# KiCad board cell-sim.kicad_pcb (continued)
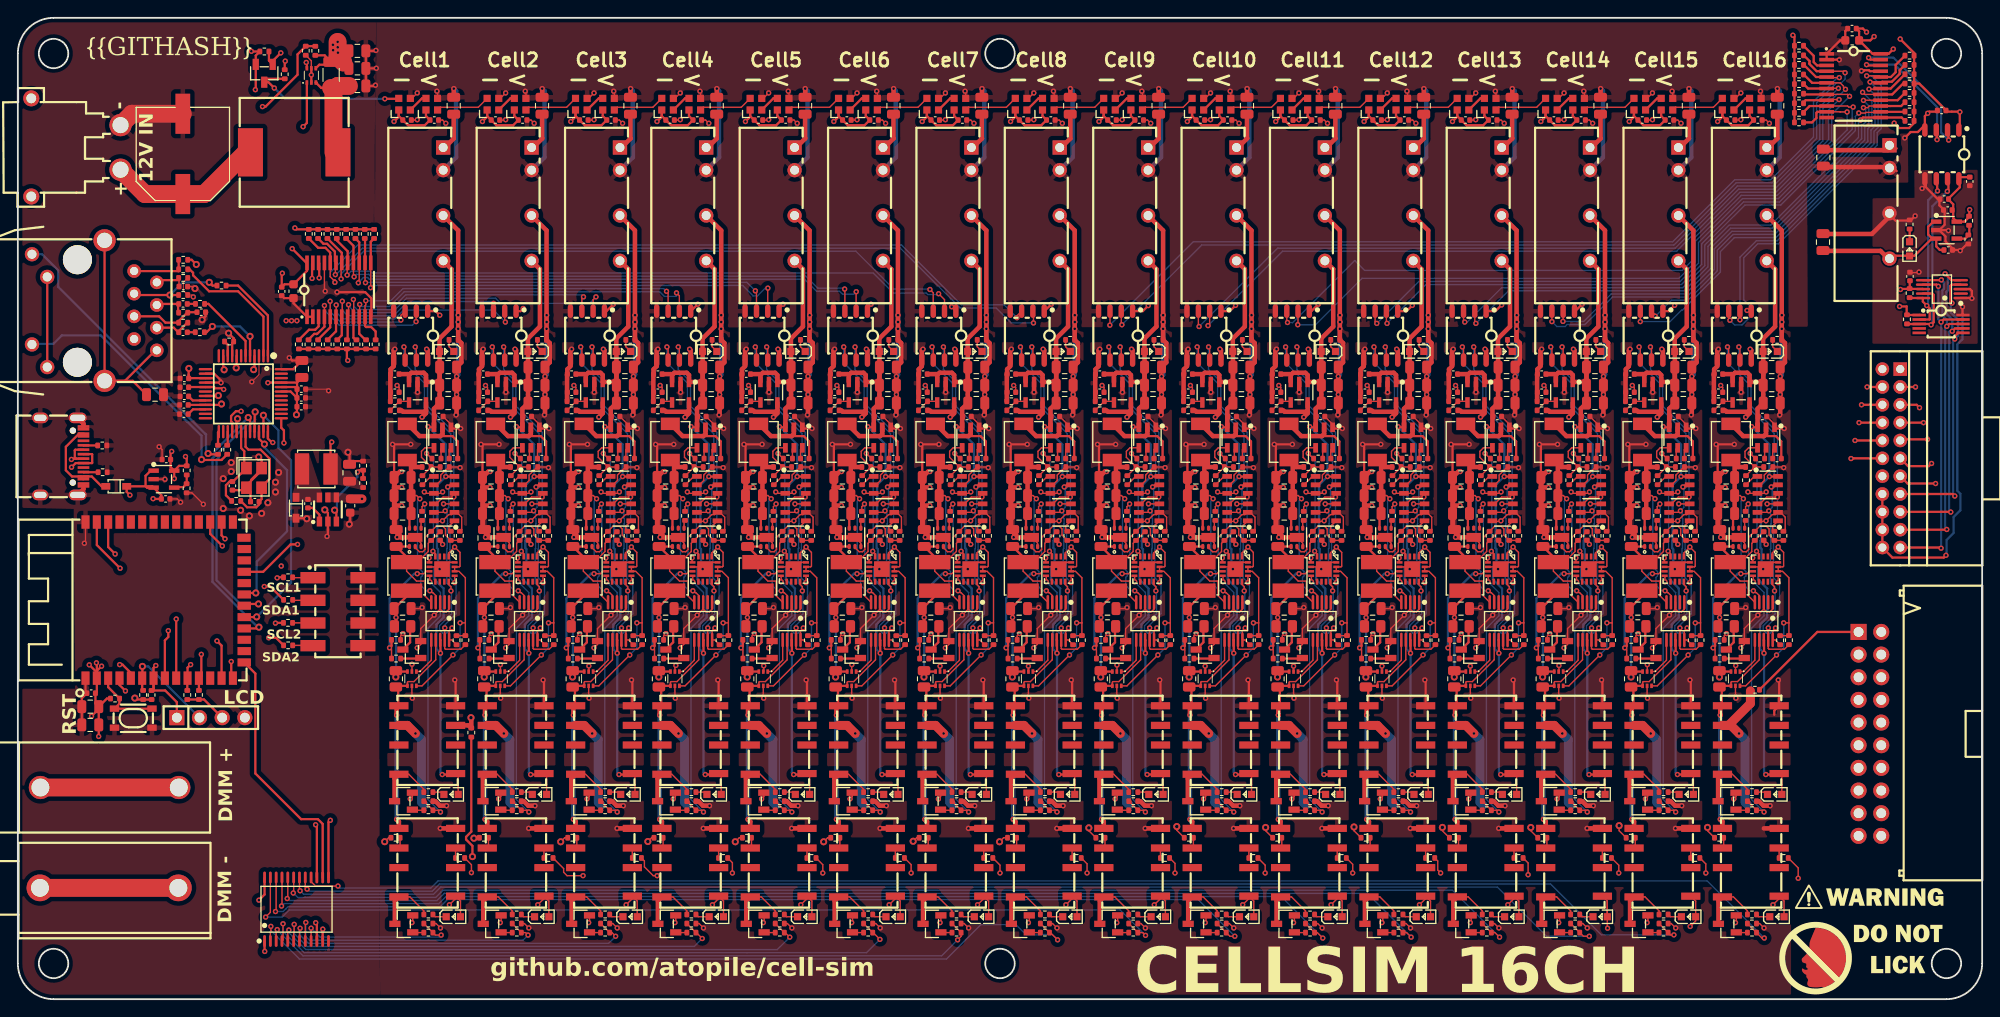
[diagram p0: board, top side]
## Placement (name value [footprint] x y rotation side) (continued)
U11  ?  [TSSOP-24_L7.8-W4.4-P0.65-LS6.4-BL]  35.95 79.51 0 top
U12  ?  [TSSOP-24_L7.8-W4.4-P0.65-LS6.4-BL]  205.61 102.39 270 top
U13  0.6A, 42V, 1.1MHz Buck Regulator  [SOT-23-6_L2.9-W1.6-P0.95-LS2.8-BR]  34.73 54.89 270 top
U14  ?  [SOT-23-5_L3.0-W1.7-P0.95-LS2.8-BL]  16.36 58.29 270 top
U15  ?  [SOT-23-3_L2.9-W1.3-P1.90-LS2.4-BR]  27.59 103.78 90 top
U16  ?  [SSOP-24_L8.1-W5.3-P0.65-LS7.8-BL]  31.21 10.08 0 top
U17  ?  [PWRM-TH_BXXXXS-2WR2]  209.62 89.36 270 top
U18  ?  [SOIC-8_L4.9-W3.9-P1.27-LS6.0-TL]  215.5 94.7 270 top
U19  ?  [MSOP-10_L3.0-W3.0-P0.50-LS5.0-BL]  215.5 79.59 90 top
U20  ?  [MSOP-10_L3.0-W3.0-P0.50-LS5.0-TL]  215.4 75.68 0 top
U21  ?  [SOT-23-5_L3.0-W1.7-P0.95-LS2.8-BL]  216.01 86.2 270 top
U22  ?  [PWRM-TH_BXXXXS-2WR2]  47.64 89.11 270 top
U23  ?  [MSOP-10_L3.0-W3.0-P0.50-LS5.0-BL]  47.3 42.38 180 top
U24  ?  [SOT-23-6_L2.9-W1.6-P0.95-LS2.8-BL]  47.75 57.65 270 top
U25  ?  [SOT-23-6_L2.9-W1.6-P0.95-LS2.8-BL]  47.56 62.95 180 top
U26  ?  [SOT-23-6_L2.9-W1.6-P0.95-LS2.8-BL]  47.75 54.57 90 top
U27  ?  [WSON-6_L2.0-W2.0-P0.65-TL-EP]  44.51 51.76 90 top
U28  ?  [SOT-563_L1.6-W1.2-P0.50-LS1.6-TL]  44.13 35.92 270 top
U29  ?  [RELAY-SMD_HFD4-5-SR]  45.86 29.05 90 top
U30  ?  [RELAY-SMD_HFD4-5-SR]  45.86 15.3 90 top
U31  ?  [QFN-16_L3.0-W3.0-P0.50-BL-EP1.7]  47.51 48.21 180 top
U32  ?  [SOIC-8_L4.9-W3.9-P1.27-LS6.0-TL]  44 74.38 270 top
U33  ?  [LED-SMD_4P-L2.0-W2.0-BR]  46.36 100.32 270 top
U34  ?  [LED-SMD_4P-L2.0-W2.0-BR]  43.31 100.32 270 top
U35  ?  [SOT-23-5_L3.0-W1.7-P0.95-LS2.8-BL]  44.76 68.03 180 top
U36  ?  [PWRM-TH_BXXXXS-2WR2]  57.54 89.11 270 top
U37  ?  [MSOP-10_L3.0-W3.0-P0.50-LS5.0-BL]  57.2 42.38 180 top
U38  ?  [SOT-23-6_L2.9-W1.6-P0.95-LS2.8-BL]  57.65 57.65 270 top
U39  ?  [SOT-23-6_L2.9-W1.6-P0.95-LS2.8-BL]  57.46 62.95 180 top
U40  ?  [SOT-23-6_L2.9-W1.6-P0.95-LS2.8-BL]  57.65 54.57 90 top
U41  ?  [WSON-6_L2.0-W2.0-P0.65-TL-EP]  54.41 51.76 90 top
U42  ?  [SOT-563_L1.6-W1.2-P0.50-LS1.6-TL]  54.03 35.92 270 top
U43  ?  [RELAY-SMD_HFD4-5-SR]  55.76 29.05 90 top
U44  ?  [RELAY-SMD_HFD4-5-SR]  55.76 15.3 90 top
U45  ?  [QFN-16_L3.0-W3.0-P0.50-BL-EP1.7]  57.41 48.21 180 top
U46  ?  [SOIC-8_L4.9-W3.9-P1.27-LS6.0-TL]  53.9 74.38 270 top
U47  ?  [LED-SMD_4P-L2.0-W2.0-BR]  56.26 100.32 270 top
U48  ?  [LED-SMD_4P-L2.0-W2.0-BR]  53.21 100.32 270 top
U49  ?  [SOT-23-5_L3.0-W1.7-P0.95-LS2.8-BL]  54.66 68.03 180 top
U50  ?  [PWRM-TH_BXXXXS-2WR2]  67.44 89.11 270 top
U51  ?  [MSOP-10_L3.0-W3.0-P0.50-LS5.0-BL]  67.1 42.38 180 top
U52  ?  [SOT-23-6_L2.9-W1.6-P0.95-LS2.8-BL]  67.55 57.65 270 top
U53  ?  [SOT-23-6_L2.9-W1.6-P0.95-LS2.8-BL]  67.35 62.95 180 top
U54  ?  [SOT-23-6_L2.9-W1.6-P0.95-LS2.8-BL]  67.55 54.57 90 top
U55  ?  [WSON-6_L2.0-W2.0-P0.65-TL-EP]  64.31 51.76 90 top
U56  ?  [SOT-563_L1.6-W1.2-P0.50-LS1.6-TL]  63.93 35.92 270 top
U57  ?  [RELAY-SMD_HFD4-5-SR]  65.65 29.05 90 top
U58  ?  [RELAY-SMD_HFD4-5-SR]  65.65 15.3 90 top
U59  ?  [QFN-16_L3.0-W3.0-P0.50-BL-EP1.7]  67.31 48.21 180 top
U60  ?  [SOIC-8_L4.9-W3.9-P1.27-LS6.0-TL]  63.8 74.38 270 top
U61  ?  [LED-SMD_4P-L2.0-W2.0-BR]  66.16 100.32 270 top
U62  ?  [LED-SMD_4P-L2.0-W2.0-BR]  63.11 100.32 270 top
U63  ?  [SOT-23-5_L3.0-W1.7-P0.95-LS2.8-BL]  64.56 68.03 180 top
U64  ?  [PWRM-TH_BXXXXS-2WR2]  77.1 89.11 270 top
U65  ?  [MSOP-10_L3.0-W3.0-P0.50-LS5.0-BL]  76.76 42.38 180 top
U66  ?  [SOT-23-6_L2.9-W1.6-P0.95-LS2.8-BL]  77.21 57.65 270 top
U67  ?  [SOT-23-6_L2.9-W1.6-P0.95-LS2.8-BL]  77.01 62.95 180 top
U68  ?  [SOT-23-6_L2.9-W1.6-P0.95-LS2.8-BL]  77.21 54.57 90 top
U69  ?  [WSON-6_L2.0-W2.0-P0.65-TL-EP]  73.97 51.76 90 top
U70  ?  [SOT-563_L1.6-W1.2-P0.50-LS1.6-TL]  73.59 35.92 270 top
U71  ?  [RELAY-SMD_HFD4-5-SR]  75.31 29.05 90 top
U72  ?  [RELAY-SMD_HFD4-5-SR]  75.31 15.3 90 top
U73  ?  [QFN-16_L3.0-W3.0-P0.50-BL-EP1.7]  76.97 48.21 180 top
U74  ?  [SOIC-8_L4.9-W3.9-P1.27-LS6.0-TL]  73.46 74.38 270 top
U75  ?  [LED-SMD_4P-L2.0-W2.0-BR]  75.82 100.32 270 top
U76  ?  [LED-SMD_4P-L2.0-W2.0-BR]  72.77 100.32 270 top
U77  ?  [SOT-23-5_L3.0-W1.7-P0.95-LS2.8-BL]  74.22 68.03 180 top
U78  ?  [PWRM-TH_BXXXXS-2WR2]  86.99 89.11 270 top
U79  ?  [MSOP-10_L3.0-W3.0-P0.50-LS5.0-BL]  86.66 42.38 180 top
U80  ?  [SOT-23-6_L2.9-W1.6-P0.95-LS2.8-BL]  87.1 57.65 270 top
U81  ?  [SOT-23-6_L2.9-W1.6-P0.95-LS2.8-BL]  86.91 62.95 180 top
U82  ?  [SOT-23-6_L2.9-W1.6-P0.95-LS2.8-BL]  87.1 54.57 90 top
U83  ?  [WSON-6_L2.0-W2.0-P0.65-TL-EP]  83.87 51.76 90 top
U84  ?  [SOT-563_L1.6-W1.2-P0.50-LS1.6-TL]  83.49 35.92 270 top
U85  ?  [RELAY-SMD_HFD4-5-SR]  85.21 29.05 90 top
U86  ?  [RELAY-SMD_HFD4-5-SR]  85.21 15.3 90 top
U87  ?  [QFN-16_L3.0-W3.0-P0.50-BL-EP1.7]  86.87 48.21 180 top
U88  ?  [SOIC-8_L4.9-W3.9-P1.27-LS6.0-TL]  83.36 74.38 270 top
U89  ?  [LED-SMD_4P-L2.0-W2.0-BR]  85.71 100.32 270 top
U90  ?  [LED-SMD_4P-L2.0-W2.0-BR]  82.67 100.32 270 top
U91  ?  [SOT-23-5_L3.0-W1.7-P0.95-LS2.8-BL]  84.12 68.03 180 top
U92  ?  [PWRM-TH_BXXXXS-2WR2]  96.89 89.11 270 top
U93  ?  [MSOP-10_L3.0-W3.0-P0.50-LS5.0-BL]  96.56 42.38 180 top
U94  ?  [SOT-23-6_L2.9-W1.6-P0.95-LS2.8-BL]  97 57.65 270 top
U95  ?  [SOT-23-6_L2.9-W1.6-P0.95-LS2.8-BL]  96.81 62.95 180 top
U96  ?  [SOT-23-6_L2.9-W1.6-P0.95-LS2.8-BL]  97 54.57 90 top
U97  ?  [WSON-6_L2.0-W2.0-P0.65-TL-EP]  93.76 51.76 90 top
U98  ?  [SOT-563_L1.6-W1.2-P0.50-LS1.6-TL]  93.39 35.92 270 top
U99  ?  [RELAY-SMD_HFD4-5-SR]  95.11 29.05 90 top
U100  ?  [RELAY-SMD_HFD4-5-SR]  95.11 15.3 90 top
U101  ?  [QFN-16_L3.0-W3.0-P0.50-BL-EP1.7]  96.76 48.21 180 top
U102  ?  [SOIC-8_L4.9-W3.9-P1.27-LS6.0-TL]  93.26 74.38 270 top
U103  ?  [LED-SMD_4P-L2.0-W2.0-BR]  95.61 100.32 270 top
U104  ?  [LED-SMD_4P-L2.0-W2.0-BR]  92.57 100.32 270 top
U105  ?  [SOT-23-5_L3.0-W1.7-P0.95-LS2.8-BL]  94.02 68.03 180 top
U106  ?  [PWRM-TH_BXXXXS-2WR2]  106.79 89.11 270 top
U107  ?  [MSOP-10_L3.0-W3.0-P0.50-LS5.0-BL]  106.46 42.38 180 top
U108  ?  [SOT-23-6_L2.9-W1.6-P0.95-LS2.8-BL]  106.9 57.65 270 top
U109  ?  [SOT-23-6_L2.9-W1.6-P0.95-LS2.8-BL]  106.71 62.95 180 top
U110  ?  [SOT-23-6_L2.9-W1.6-P0.95-LS2.8-BL]  106.9 54.57 90 top
U111  ?  [WSON-6_L2.0-W2.0-P0.65-TL-EP]  103.66 51.76 90 top
U112  ?  [SOT-563_L1.6-W1.2-P0.50-LS1.6-TL]  103.29 35.92 270 top
U113  ?  [RELAY-SMD_HFD4-5-SR]  105.01 29.05 90 top
U114  ?  [RELAY-SMD_HFD4-5-SR]  105.01 15.3 90 top
U115  ?  [QFN-16_L3.0-W3.0-P0.50-BL-EP1.7]  106.66 48.21 180 top
U116  ?  [SOIC-8_L4.9-W3.9-P1.27-LS6.0-TL]  103.15 74.38 270 top
U117  ?  [LED-SMD_4P-L2.0-W2.0-BR]  105.51 100.32 270 top
U118  ?  [LED-SMD_4P-L2.0-W2.0-BR]  102.46 100.32 270 top
U119  ?  [SOT-23-5_L3.0-W1.7-P0.95-LS2.8-BL]  103.92 68.03 180 top
U120  ?  [PWRM-TH_BXXXXS-2WR2]  116.69 89.11 270 top
U121  ?  [MSOP-10_L3.0-W3.0-P0.50-LS5.0-BL]  116.35 42.38 180 top
U122  ?  [SOT-23-6_L2.9-W1.6-P0.95-LS2.8-BL]  116.8 57.65 270 top
U123  ?  [SOT-23-6_L2.9-W1.6-P0.95-LS2.8-BL]  116.61 62.95 180 top
U124  ?  [SOT-23-6_L2.9-W1.6-P0.95-LS2.8-BL]  116.8 54.57 90 top
U125  ?  [WSON-6_L2.0-W2.0-P0.65-TL-EP]  113.56 51.76 90 top
U126  ?  [SOT-563_L1.6-W1.2-P0.50-LS1.6-TL]  113.18 35.92 270 top
U127  ?  [RELAY-SMD_HFD4-5-SR]  114.91 29.05 90 top
U128  ?  [RELAY-SMD_HFD4-5-SR]  114.91 15.3 90 top
U129  ?  [QFN-16_L3.0-W3.0-P0.50-BL-EP1.7]  116.56 48.21 180 top
U130  ?  [SOIC-8_L4.9-W3.9-P1.27-LS6.0-TL]  113.05 74.38 270 top
U131  ?  [LED-SMD_4P-L2.0-W2.0-BR]  115.41 100.32 270 top
U132  ?  [LED-SMD_4P-L2.0-W2.0-BR]  112.36 100.32 270 top
U133  ?  [SOT-23-5_L3.0-W1.7-P0.95-LS2.8-BL]  113.81 68.03 180 top
U134  ?  [PWRM-TH_BXXXXS-2WR2]  126.59 89.11 270 top
U135  ?  [MSOP-10_L3.0-W3.0-P0.50-LS5.0-BL]  126.25 42.38 180 top
U136  ?  [SOT-23-6_L2.9-W1.6-P0.95-LS2.8-BL]  126.7 57.65 270 top
U137  ?  [SOT-23-6_L2.9-W1.6-P0.95-LS2.8-BL]  126.51 62.95 180 top
U138  ?  [SOT-23-6_L2.9-W1.6-P0.95-LS2.8-BL]  126.7 54.57 90 top
U139  ?  [WSON-6_L2.0-W2.0-P0.65-TL-EP]  123.46 51.76 90 top
U140  ?  [SOT-563_L1.6-W1.2-P0.50-LS1.6-TL]  123.08 35.92 270 top
U141  ?  [RELAY-SMD_HFD4-5-SR]  124.81 29.05 90 top
U142  ?  [RELAY-SMD_HFD4-5-SR]  124.81 15.3 90 top
U143  ?  [QFN-16_L3.0-W3.0-P0.50-BL-EP1.7]  126.46 48.21 180 top
U144  ?  [SOIC-8_L4.9-W3.9-P1.27-LS6.0-TL]  122.95 74.38 270 top
U145  ?  [LED-SMD_4P-L2.0-W2.0-BR]  125.31 100.32 270 top
U146  ?  [LED-SMD_4P-L2.0-W2.0-BR]  122.26 100.32 270 top
U147  ?  [SOT-23-5_L3.0-W1.7-P0.95-LS2.8-BL]  123.71 68.03 180 top
U148  ?  [PWRM-TH_BXXXXS-2WR2]  136.49 89.11 270 top
U149  ?  [MSOP-10_L3.0-W3.0-P0.50-LS5.0-BL]  136.15 42.38 180 top
U150  ?  [SOT-23-6_L2.9-W1.6-P0.95-LS2.8-BL]  136.6 57.65 270 top
U151  ?  [SOT-23-6_L2.9-W1.6-P0.95-LS2.8-BL]  136.41 62.95 180 top
U152  ?  [SOT-23-6_L2.9-W1.6-P0.95-LS2.8-BL]  136.6 54.57 90 top
U153  ?  [WSON-6_L2.0-W2.0-P0.65-TL-EP]  133.36 51.76 90 top
U154  ?  [SOT-563_L1.6-W1.2-P0.50-LS1.6-TL]  132.98 35.92 270 top
U155  ?  [RELAY-SMD_HFD4-5-SR]  134.71 29.05 90 top
U156  ?  [RELAY-SMD_HFD4-5-SR]  134.71 15.3 90 top
U157  ?  [QFN-16_L3.0-W3.0-P0.50-BL-EP1.7]  136.36 48.21 180 top
U158  ?  [SOIC-8_L4.9-W3.9-P1.27-LS6.0-TL]  132.85 74.38 270 top
U159  ?  [LED-SMD_4P-L2.0-W2.0-BR]  135.21 100.32 270 top
U160  ?  [LED-SMD_4P-L2.0-W2.0-BR]  132.16 100.32 270 top
U161  ?  [SOT-23-5_L3.0-W1.7-P0.95-LS2.8-BL]  133.61 68.03 180 top
U162  ?  [PWRM-TH_BXXXXS-2WR2]  146.39 89.11 270 top
U163  ?  [MSOP-10_L3.0-W3.0-P0.50-LS5.0-BL]  146.05 42.38 180 top
U164  ?  [SOT-23-6_L2.9-W1.6-P0.95-LS2.8-BL]  146.5 57.65 270 top
U165  ?  [SOT-23-6_L2.9-W1.6-P0.95-LS2.8-BL]  146.3 62.95 180 top
U166  ?  [SOT-23-6_L2.9-W1.6-P0.95-LS2.8-BL]  146.5 54.57 90 top
U167  ?  [WSON-6_L2.0-W2.0-P0.65-TL-EP]  143.26 51.76 90 top
U168  ?  [SOT-563_L1.6-W1.2-P0.50-LS1.6-TL]  142.88 35.92 270 top
U169  ?  [RELAY-SMD_HFD4-5-SR]  144.6 29.05 90 top
U170  ?  [RELAY-SMD_HFD4-5-SR]  144.6 15.3 90 top
U171  ?  [QFN-16_L3.0-W3.0-P0.50-BL-EP1.7]  146.26 48.21 180 top
U172  ?  [SOIC-8_L4.9-W3.9-P1.27-LS6.0-TL]  142.75 74.38 270 top
U173  ?  [LED-SMD_4P-L2.0-W2.0-BR]  145.11 100.32 270 top
U174  ?  [LED-SMD_4P-L2.0-W2.0-BR]  142.06 100.32 270 top
U175  ?  [SOT-23-5_L3.0-W1.7-P0.95-LS2.8-BL]  143.51 68.03 180 top
U176  ?  [PWRM-TH_BXXXXS-2WR2]  156.28 89.11 270 top
U177  ?  [MSOP-10_L3.0-W3.0-P0.50-LS5.0-BL]  155.95 42.38 180 top
U178  ?  [SOT-23-6_L2.9-W1.6-P0.95-LS2.8-BL]  156.39 57.65 270 top
U179  ?  [SOT-23-6_L2.9-W1.6-P0.95-LS2.8-BL]  156.2 62.95 180 top
U180  ?  [SOT-23-6_L2.9-W1.6-P0.95-LS2.8-BL]  156.39 54.57 90 top
U181  ?  [WSON-6_L2.0-W2.0-P0.65-TL-EP]  153.15 51.76 90 top
U182  ?  [SOT-563_L1.6-W1.2-P0.50-LS1.6-TL]  152.78 35.92 270 top
U183  ?  [RELAY-SMD_HFD4-5-SR]  154.5 29.05 90 top
U184  ?  [RELAY-SMD_HFD4-5-SR]  154.5 15.3 90 top
U185  ?  [QFN-16_L3.0-W3.0-P0.50-BL-EP1.7]  156.16 48.21 180 top
U186  ?  [SOIC-8_L4.9-W3.9-P1.27-LS6.0-TL]  152.65 74.38 270 top
U187  ?  [LED-SMD_4P-L2.0-W2.0-BR]  155 100.32 270 top
U188  ?  [LED-SMD_4P-L2.0-W2.0-BR]  151.96 100.32 270 top
U189  ?  [SOT-23-5_L3.0-W1.7-P0.95-LS2.8-BL]  153.41 68.03 180 top
U190  ?  [PWRM-TH_BXXXXS-2WR2]  166.18 89.11 270 top
U191  ?  [MSOP-10_L3.0-W3.0-P0.50-LS5.0-BL]  165.85 42.38 180 top
U192  ?  [SOT-23-6_L2.9-W1.6-P0.95-LS2.8-BL]  166.29 57.65 270 top
U193  ?  [SOT-23-6_L2.9-W1.6-P0.95-LS2.8-BL]  166.1 62.95 180 top
U194  ?  [SOT-23-6_L2.9-W1.6-P0.95-LS2.8-BL]  166.29 54.57 90 top
U195  ?  [WSON-6_L2.0-W2.0-P0.65-TL-EP]  163.05 51.76 90 top
U196  ?  [SOT-563_L1.6-W1.2-P0.50-LS1.6-TL]  162.68 35.92 270 top
U197  ?  [RELAY-SMD_HFD4-5-SR]  164.4 29.05 90 top
U198  ?  [RELAY-SMD_HFD4-5-SR]  164.4 15.3 90 top
U199  ?  [QFN-16_L3.0-W3.0-P0.50-BL-EP1.7]  166.05 48.21 180 top
U200  ?  [SOIC-8_L4.9-W3.9-P1.27-LS6.0-TL]  162.55 74.38 270 top
U201  ?  [LED-SMD_4P-L2.0-W2.0-BR]  164.9 100.32 270 top
U202  ?  [LED-SMD_4P-L2.0-W2.0-BR]  161.85 100.32 270 top
U203  ?  [SOT-23-5_L3.0-W1.7-P0.95-LS2.8-BL]  163.31 68.03 180 top
U204  ?  [PWRM-TH_BXXXXS-2WR2]  176.08 89.11 270 top
U205  ?  [MSOP-10_L3.0-W3.0-P0.50-LS5.0-BL]  175.75 42.38 180 top
U206  ?  [SOT-23-6_L2.9-W1.6-P0.95-LS2.8-BL]  176.19 57.65 270 top
U207  ?  [SOT-23-6_L2.9-W1.6-P0.95-LS2.8-BL]  176 62.95 180 top
U208  ?  [SOT-23-6_L2.9-W1.6-P0.95-LS2.8-BL]  176.19 54.57 90 top
U209  ?  [WSON-6_L2.0-W2.0-P0.65-TL-EP]  172.95 51.76 90 top
U210  ?  [SOT-563_L1.6-W1.2-P0.50-LS1.6-TL]  172.57 35.92 270 top
U211  ?  [RELAY-SMD_HFD4-5-SR]  174.3 29.05 90 top
U212  ?  [RELAY-SMD_HFD4-5-SR]  174.3 15.3 90 top
U213  ?  [QFN-16_L3.0-W3.0-P0.50-BL-EP1.7]  175.95 48.21 180 top
U214  ?  [SOIC-8_L4.9-W3.9-P1.27-LS6.0-TL]  172.44 74.38 270 top
U215  ?  [LED-SMD_4P-L2.0-W2.0-BR]  174.8 100.32 270 top
U216  ?  [LED-SMD_4P-L2.0-W2.0-BR]  171.75 100.32 270 top
U217  ?  [SOT-23-5_L3.0-W1.7-P0.95-LS2.8-BL]  173.21 68.03 180 top
U218  ?  [PWRM-TH_BXXXXS-2WR2]  185.98 89.11 270 top
U219  ?  [MSOP-10_L3.0-W3.0-P0.50-LS5.0-BL]  185.64 42.38 180 top
U220  ?  [SOT-23-6_L2.9-W1.6-P0.95-LS2.8-BL]  186.09 57.65 270 top
U221  ?  [SOT-23-6_L2.9-W1.6-P0.95-LS2.8-BL]  185.9 62.95 180 top
U222  ?  [SOT-23-6_L2.9-W1.6-P0.95-LS2.8-BL]  186.09 54.57 90 top
U223  ?  [WSON-6_L2.0-W2.0-P0.65-TL-EP]  182.85 51.76 90 top
U224  ?  [SOT-563_L1.6-W1.2-P0.50-LS1.6-TL]  182.47 35.92 270 top
U225  ?  [RELAY-SMD_HFD4-5-SR]  184.2 29.05 90 top
U226  ?  [RELAY-SMD_HFD4-5-SR]  184.2 15.3 90 top
U227  ?  [QFN-16_L3.0-W3.0-P0.50-BL-EP1.7]  185.85 48.21 180 top
U228  ?  [SOIC-8_L4.9-W3.9-P1.27-LS6.0-TL]  182.34 74.38 270 top
U229  ?  [LED-SMD_4P-L2.0-W2.0-BR]  184.7 100.32 270 top
U230  ?  [LED-SMD_4P-L2.0-W2.0-BR]  181.65 100.32 270 top
U231  ?  [SOT-23-5_L3.0-W1.7-P0.95-LS2.8-BL]  183.1 68.03 180 top
U232  ?  [PWRM-TH_BXXXXS-2WR2]  195.88 89.11 270 top
U233  ?  [MSOP-10_L3.0-W3.0-P0.50-LS5.0-BL]  195.54 42.38 180 top
U234  ?  [SOT-23-6_L2.9-W1.6-P0.95-LS2.8-BL]  195.99 57.65 270 top
U235  ?  [SOT-23-6_L2.9-W1.6-P0.95-LS2.8-BL]  195.8 62.95 180 top
U236  ?  [SOT-23-6_L2.9-W1.6-P0.95-LS2.8-BL]  195.99 54.57 90 top
U237  ?  [WSON-6_L2.0-W2.0-P0.65-TL-EP]  192.75 51.76 90 top
U238  ?  [SOT-563_L1.6-W1.2-P0.50-LS1.6-TL]  192.37 35.92 270 top
U239  ?  [RELAY-SMD_HFD4-5-SR]  194.1 29.05 90 top
U240  ?  [RELAY-SMD_HFD4-5-SR]  194.1 15.3 90 top
U241  ?  [QFN-16_L3.0-W3.0-P0.50-BL-EP1.7]  195.75 48.21 180 top
U242  ?  [SOIC-8_L4.9-W3.9-P1.27-LS6.0-TL]  192.24 74.38 270 top
U243  ?  [LED-SMD_4P-L2.0-W2.0-BR]  194.6 100.32 270 top
U244  ?  [LED-SMD_4P-L2.0-W2.0-BR]  191.55 100.32 270 top
U245  ?  [SOT-23-5_L3.0-W1.7-P0.95-LS2.8-BL]  193 68.03 180 top
U246  ?  [IDC-TH_Z-231012820106]  207.43 29.73 90 top
U247  ?  [CONN-TH_22P-P2.00_5018762240]  209.82 60.62 90 top
U248  ?  [HDR-SMD_8P-P2.54-V-M-R2-C4-LS7.4]  35.85 43.43 270 top

## Footprints (pads in the part's own frame, mm; a bottom-side part is the same pattern mirrored in y, then rotated)
AUDIO-TH_24.243.1
  round 2.6 hole 2: 1(-7.75,0) 2(7.75,0)
C0402
  rrect 0.56x0.62 smd: 1(-0.48,0) 2(0.48,0)
C0603
  rrect 0.9x0.95 smd: 1(-0.775,0) 2(0.775,0)
C0805
  rrect 1x1.45 smd: 1(-0.95,0) 2(0.95,0)
CAP-SMD_BD10.0-L10.3-W10.3-LS11.0-FD
  rect 4.5x1.65 smd: 1(-4.5,0) 2(4.5,0)
CONN-TH_22P-P2.00_5018762240
  rect 1.52x1.52 hole 0.914: 1(10,-1)
  round 1.52 hole 0.914: 2(10,1) 3(8,-1) 4(8,1) 5(6,-1) 6(6,1) 7(4,-1) 8(4,1) 9(2,-1) 10(2,1) 11(0,-1) 12(0,1) 13(-2,-1) 14(-2,1) 15(-4,-1) 16(-4,1) 17(-6,-1) 18(-6,1) 19(-8,-1) 20(-8,1) 21(-10,-1) 22(-10,1)
CONN-TH_24.243.2
  round 3 hole 2: 1(-7.75,0) 2(7.75,0)
CONN-TH_XT30PW-M
  round 2.5 hole 1.8: 1(-2.5,5) 2(2.5,5)
  round 1.8 hole 1.1: 3(5.5,-5) 4(-5.5,-5)
CRYSTAL-SMD_4P-L3.2-W2.5-BL
  rect 1.4x1.2 smd: 1(-1.1,-0.85) 2(1.1,-0.85) 3(1.1,0.85) 4(-1.1,0.85)
HDR-SMD_8P-P2.54-V-M-R2-C4-LS7.4
  rect 1.27x2.8 smd: 1(-3.81,-2.8) 2(-3.81,2.8) 3(-1.27,-2.8) 4(-1.27,2.8) 5(1.27,-2.8) 6(1.27,2.8) 7(3.81,-2.8) 8(3.81,2.79)
HDR-TH_4P-P2.54-V-F
  rect 1.7x1.7 hole 1.1: 1(-3.81,0)
  round 1.7 hole 1.1: 2(-1.27,0) 3(1.27,0) 4(3.81,0)
IDC-TH_Z-231012820106
  rect 1.8x1.8 hole 1.1: 1(11.43,1.27)
  round 1.8 hole 1.1: 2(11.43,-1.27) 3(8.89,1.27) 4(8.89,-1.27) 5(6.35,1.27) 6(6.35,-1.27) 7(3.81,1.27) 8(3.81,-1.27) 9(1.27,1.27) 10(1.27,-1.27) 11(-1.27,1.27) 12(-1.27,-1.27) 13(-3.81,1.27) 14(-3.81,-1.27) 15(-6.35,1.27) 16(-6.35,-1.27) 17(-8.89,1.27) 18(-8.89,-1.27) 19(-11.43,1.27) 20(-11.43,-1.27)
IND-SMD_L4.0-W4.0
  rect 1.6x3.5 smd: 1(-1.6,0) 2(1.6,0)
IND-SMD_L4.4-W4.2
  rect 1.4x2.12 smd: 1(2.03,0) 2(-2.03,0)
IND-SMD_L12.0-W12.0
  rect 2.8x5.4 smd: 1(4.9,0) 2(-4.9,0)
KEY-SMD_4P-L4.2-W3.2-P2.20-LS4.6
  rect 1.05x0.7 smd: 1(-2.1,1.07) 2(2.1,1.07) 3(-2.1,-1.07) 4(2.1,-1.07)
LED0603-RD
  rect 0.8x0.8 smd: 1(-0.8,0) 2(0.8,0)
LED-SMD_4P-L2.0-W2.0-BR
  rect 0.8x0.8 smd: 1(0.65,-0.65) 2(0.65,0.65) 3(-0.65,0.65) 4(-0.65,-0.65)
LQFP-48_L7.0-W7.0-P0.50-LS9.0-BL
  oval 0.27x1.5 smd: 1(-2.75,-4.25) 2(-2.25,-4.25) 3(-1.75,-4.25) 4(-1.25,-4.25) 5(-0.75,-4.25) 6(-0.25,-4.25) 7(0.25,-4.25) 8(0.75,-4.25) 9(1.25,-4.25) 10(1.75,-4.25) 11(2.25,-4.25) 12(2.75,-4.25) 25(2.75,4.25) 26(2.25,4.25) 27(1.75,4.25) 28(1.25,4.25) 29(0.75,4.25) 30(0.25,4.25) 31(-0.25,4.25) 32(-0.75,4.25) 33(-1.25,4.25) 34(-1.75,4.25) 35(-2.25,4.25) 36(-2.75,4.25)
  oval 1.5x0.27 smd: 13(4.25,-2.75) 14(4.25,-2.25) 15(4.25,-1.75) 16(4.25,-1.25) 17(4.25,-0.75) 18(4.25,-0.25) 19(4.25,0.25) 20(4.25,0.75) 21(4.25,1.25) 22(4.25,1.75) 23(4.25,2.25) 24(4.25,2.75) 37(-4.25,2.75) 38(-4.25,2.25) 39(-4.25,1.75) 40(-4.25,1.25) 41(-4.25,0.75) 42(-4.25,0.25) 43(-4.25,-0.25) 44(-4.25,-0.75) 45(-4.25,-1.25) 46(-4.25,-1.75) 47(-4.25,-2.25) 48(-4.25,-2.75)
MSOP-10_L3.0-W3.0-P0.50-LS5.0-BL
  oval 0.28x1.62 smd: 1(-1,-2.11) 2(-0.5,-2.11) 3(0,-2.11) 4(0.5,-2.11) 5(1,-2.11) 6(1,2.11) 7(0.5,2.11) 8(0,2.11) 9(-0.5,2.11) 10(-1,2.11)
MSOP-10_L3.0-W3.0-P0.50-LS5.0-TL
  rect 1.5x0.3 smd: 1(-2.45,1) 2(-2.45,0.5) 3(-2.45,0) 4(-2.45,-0.5) 5(-2.45,-1) 6(2.45,-1) 7(2.45,-0.5) 8(2.45,0) 9(2.45,0.5) 10(2.45,1)
PWRM-TH_BXXXXS-2WR2
  rect 1.6x1.6 hole 1: 1(-6.35,0)
  round 1.6 hole 1: 2(-3.81,0) 4(1.27,0) 6(6.35,0)
QFN-16_L3.0-W3.0-P0.50-BL-EP1.7
  rect 0.28x0.66 smd: 1(-0.75,-1.41) 2(-0.25,-1.41) 3(0.25,-1.41) 4(0.75,-1.41) 9(0.75,1.41) 10(0.25,1.41) 11(-0.25,1.41) 12(-0.75,1.41)
  rect 0.66x0.28 smd: 5(1.41,-0.75) 6(1.41,-0.25) 7(1.41,0.25) 8(1.41,0.75) 13(-1.41,0.75) 14(-1.41,0.25) 15(-1.41,-0.25) 16(-1.41,-0.75)
  rect 1.75x1.75 smd: 17(0,0)
R0402
  rrect 0.54x0.64 smd: 1(-0.51,0) 2(0.51,0)
R0805
  rrect 1.025x1.4 smd: 1(-0.912,0) 2(0.912,0)
R1206
  rrect 1.125x1.75 smd: 1(-1.462,0) 2(1.462,0)
RELAY-SMD_HFD4-5-SR
  rect 0.8x2.15 smd: 1(-3.76,-3.17) 2(-0.56,-3.17) 3(1.64,-3.17) 4(3.84,-3.17) 5(3.84,3.18) 6(1.64,3.18) 7(-0.56,3.18) 8(-3.84,3.18)
RJ45-TH_J1B1211CCD
  round 3.25 hole 3.25: (-5.71,-1.9) (5.79,-1.9)
  round 1.52 hole 0.914: 1(-4.44,4.45) 2(-3.17,6.99) 3(-1.9,4.45) 4(-0.63,6.99) 5(0.64,4.45) 6(1.91,6.99) 7(3.18,4.45) 8(4.45,6.99)
  round 1.6 hole 1.02: 9(-6.32,-6.99) 10(-3.78,-5.28) 11(3.79,-6.99) 12(6.33,-5.28)
  round 2.5 hole 1.7: 13(-7.88,1.14) 14(7.87,1.14)
SOD-323_L1.8-W1.3-LS2.5-RD
  rect 1x0.75 smd: 1(-1.17,0) 2(1.17,0)
SOIC-8_L4.9-W3.9-P1.27-LS6.0-TL
  oval 1.52x0.6 smd: 1(-2.74,1.9) 2(-2.74,0.63) 3(-2.74,-0.63) 4(-2.74,-1.91) 5(2.74,-1.91) 6(2.74,-0.63) 7(2.74,0.63) 8(2.74,1.9)
SOT-23-3_L2.9-W1.3-P1.90-LS2.4-BR
  rect 1.25x0.7 smd: 1(1,-0.95) 2(1,0.95) 3(-1,0)
SOT-23-5_L3.0-W1.7-P0.95-LS2.8-BL
  rect 0.49x1.16 smd: 1(-0.95,-1.15) 2(0,-1.15) 3(0.95,-1.15)
  rect 0.49x1.18 smd: 4(0.95,1.15) 5(-0.95,1.15)
SOT-23-6_L2.9-W1.6-P0.95-LS2.8-BL
  rect 0.53x1.07 smd: 1(-0.95,-1.15) 2(0,-1.15) 3(0.95,-1.15) 4(0.95,1.15) 5(0,1.15) 6(-0.95,1.15)
SOT-23-6_L2.9-W1.6-P0.95-LS2.8-BR
  rect 1.1x0.6 smd: 1(1.35,-0.95) 2(1.35,0) 3(1.35,0.95) 4(-1.35,0.95) 5(-1.35,0) 6(-1.35,-0.95)
SOT-563_L1.6-W1.2-P0.50-LS1.6-TL
  rect 0.5x0.3 smd: 1(-0.8,0.5) 2(-0.8,0) 3(-0.8,-0.5) 4(0.8,-0.5) 5(0.8,0) 6(0.8,0.5)
SSOP-24_L8.1-W5.3-P0.65-LS7.8-BL
  oval 0.31x1.32 smd: 1(-3.58,-3.56) 2(-2.93,-3.56) 3(-2.28,-3.56) 4(-1.63,-3.56) 5(-0.98,-3.56) 6(-0.32,-3.56) 7(0.33,-3.56) 8(0.98,-3.56) 9(1.63,-3.56) 10(2.28,-3.56) 11(2.93,-3.56) 12(3.58,-3.56) 13(3.58,3.56) 14(2.93,3.56) 15(2.28,3.56) 16(1.63,3.56) 17(0.98,3.56) 18(0.33,3.56) 19(-0.32,3.56) 20(-0.98,3.56) 21(-1.63,3.56) 22(-2.28,3.56) 23(-2.93,3.56) 24(-3.58,3.56)
TSSOP-24_L7.8-W4.4-P0.65-LS6.4-BL
  rect 0.4x1.65 smd: 1(-3.57,-3.02) 2(-2.92,-3.02) 3(-2.27,-3.02) 4(-1.62,-3.02) 5(-0.97,-3.02) 6(-0.32,-3.02) 7(0.32,-3.02) 8(0.98,-3.02) 9(1.63,-3.02) 10(2.28,-3.02) 11(2.93,-3.02) 12(3.57,-3.02) 13(3.57,3.02) 14(2.93,3.02) 15(2.28,3.02) 16(1.63,3.02) 17(0.98,3.02) 18(0.32,3.02) 19(-0.32,3.02) 20(-0.97,3.02) 21(-1.62,3.02) 22(-2.27,3.02) 23(-2.92,3.02) 24(-3.57,3.02)
USB-C-SMD_KH-TYPE-C-16P
  round 0.7 hole 0.7: (-2.89,1.23) (2.937,1.219)
  oval 1.2x2 hole 0.7x1.7: 1(-4.32,1.77) 2(4.32,1.77)
  oval 1.2x1.8 hole 0.7x1.4: 3(-4.32,-2.42) 4(4.32,-2.42)
  rect 0.3x1.3 smd: A1(-3.35,2.42) A4(-2.55,2.42) A5(-1.25,2.42) A6(-0.25,2.42) A7(0.25,2.42) A8(1.25,2.42) A9(2.55,2.41) A12(3.35,2.42) B1(3.05,2.42) B4(2.25,2.41) B5(1.75,2.42) B6(0.75,2.42) B7(-0.75,2.42) B8(-1.75,2.42) B9(-2.25,2.42) B12(-3.05,2.42)
WIRELM-SMD_ESP32-S3-WROOM-1
  rect 1.5x0.9 smd: 1(-8.75,8.89) 2(-8.75,7.62) 3(-8.75,6.35) 4(-8.75,5.08) 5(-8.75,3.81) 6(-8.75,2.54) 7(-8.75,1.27) 8(-8.75,0) 9(-8.75,-1.27) 10(-8.75,-2.54) 11(-8.75,-3.81) 12(-8.75,-5.08) 13(-8.75,-6.35) 14(-8.75,-7.62) 27(8.75,-7.62) 28(8.75,-6.35) 29(8.75,-5.08) 30(8.75,-3.81) 31(8.75,-2.54) 32(8.75,-1.27) 33(8.75,0) 34(8.75,1.27) 35(8.75,2.54) 36(8.75,3.81) 37(8.75,5.08) 38(8.75,6.35) 39(8.75,7.62) 40(8.75,8.89)
  rect 0.9x1.5 smd: 15(-6.99,-8.89) 16(-5.72,-8.89) 17(-4.45,-8.89) 18(-3.18,-8.89) 19(-1.91,-8.89) 20(-0.63,-8.89) 21(0.63,-8.89) 22(1.9,-8.89) 23(3.17,-8.89) 24(4.45,-8.89) 25(5.72,-8.89) 26(6.99,-8.86)
WSON-6_L2.0-W2.0-P0.65-TL-EP
  oval 0.61x0.36 smd: 1(-1.03,0.65) 2(-1.03,0) 3(-1.03,-0.65) 4(1.03,-0.65) 5(1.03,0) 6(1.03,0.65)
  rect 1x1.6 smd: 7(0,0)

## Nets
_1: R471.2 U248.1
_1v2o: C9.1 U4.22
_3: R472.2 U248.3
_5: R473.2 U248.5
_7: R474.2 U248.7
actled: R5.1 U4.27
buck.feedback_div-out: R58.2 R59.1 U13.3
buck.ic-sw: C30.2 DS1.1 L2.1 U13.6
cb: C30.1 U13.1
cc1: R2.1 U3.A5
cc2: R3.1 U3.B5
cell1-gnd: R470.1 U29.3 U246.18 U247.13
cell1-led_data: U33.2 U48.4
cell1-vcc: U29.6 U246.17 U247.12
cell1.adc-alert_slash_rdy: U23.2
cell1.buck.ctrl_resistor-vfb: R70.2 R71.2 R72.1 U25.4
cell1.buck.dac-vout: R70.1 U24.1
cell1.buck.regulator-en: R73.2 U25.5
cell1.buck.regulator-sw: C49.2 L3.1 U25.2
cell1.buck.regulator-vbst: C49.1 U25.6
cell1.dmm_relay-gnd: R93.1 U30.3
cell1.dmm_relay-vcc: R92.1 U30.6
cell1.dmm_relay.fet-gate: Q2.1 R83.2
cell1.dmm_relay.indicator_led.resistor-cathode: LED4.1 R82.1
cell1.dmm_relay.relay-gnd: Q2.3 R82.2 U30.8
cell1.gpio-int: U31.11
cell1.gpio-p0: U31.2
cell1.gpio-p1: U31.3
cell1.gpio-p4: R85.1 R86.1 U31.7
cell1.gpio-p6: U31.9
cell1.gpio-p7: U31.10
cell1.internal_ldo.feedback_div-out: R90.2 R91.1 U35.4
cell1.isolated_converter.led.resistor-cathode: LED2.1 R69.1
cell1.ldo.ctrl_resistor-fb: R74.2 R75.2 R76.1 U27.2
cell1.ldo.dac-vout: R74.1 U26.1
cell1.ldo.regulator-dnc: U27.5
cell1.ldo.regulator-en: R77.2 U27.4
cell1.load_switch.fet-gate: Q3.1 R85.2
cell1.load_switch.fet-n: Q3.3 R87.2
cell1.output_relay.fet-gate: Q1.1 R80.2
cell1.output_relay.indicator_led.resistor-cathode: LED3.1 R79.1
cell1.output_relay.relay-gnd: Q1.3 R79.2 U29.8
cell1.voltage_led.ic-vcc: U33.4 U34.2
CELL1_3V3_VCC: C56.1 R88.2 R89.2 R90.1 U24.3 U26.3 U28.6 U31.1 U31.14 U31.15 U32.8 U35.5
CELL1_5V_VCC: C42.1 C43.1 C44.1 C45.1 C55.1 LED2.2 LED3.2 U22.6 U23.8 U24.6 U25.3 U29.1 U35.1 U35.3
CELL1_BUCK_ENABLE: R73.1 U31.4
CELL1_BUCK_POWER_OUT_VCC: C46.1 C47.1 C48.1 L3.2 R71.1 U23.4 U27.6
CELL1_CURRENT_SENSE_OUTPUT: U23.6 U28.1
CELL1_CURRENT_SENSE_POWER_OUT_VCC: R78.2 U23.7 U28.4 U29.5 U30.5
CELL1_DMM_RELAY_CONTROL: R83.1 R84.1 U16.9
CELL1_FILTER_POWER_OUT_VCC: C52.1 C58.2 C59.2 C60.2 C61.2 C62.2 C63.2 C64.2 C66.2 C67.2 C68.2 C71.2 C72.2 L4.2 Q4.2 Q6.2 R78.1 R87.1 R94.2 R97.2 R101.2 R106.2 R111.2 R116.2 U28.3 U36.4 U37.1 U37.3 U38.2 U39.1 U40.2 U40.6 U41.3 U41.7 U42.2 U42.5 U43.4 U44.4 U45.6 U45.16 U45.17 U46.5 U49.2
CELL1_GND: C42.2 C43.2 C44.2 C45.2 C46.2 C47.2 C48.2 C50.2 C51.2 C52.2 C55.2 C56.2 Q1.2 Q3.2 R69.2 R72.2 R76.2 R81.2 R86.2 R91.2 U22.4 U23.1 U23.3 U24.2 U25.1 U26.2 U26.6 U27.3 U27.7 U28.2 U28.5 U29.4 U30.4 U31.6 U31.16 U31.17 U32.5 U35.2
CELL1_I2C_SCL: R89.1 U23.10 U24.5 U26.5 U31.12 U32.6
CELL1_I2C_SDA: R88.1 U23.9 U24.4 U26.4 U31.13 U32.7
CELL1_LDO_ENABLE: R77.1 U31.5
CELL1_LDO_POWER_OUT_VCC: C50.1 C51.1 L4.1 R75.1 U23.5 U27.1
CELL1_OUTPUT_RELAY_CONTROL: R80.1 R81.1 U31.8
cell2-gnd: U43.3
cell2-led_data: U47.2 U62.4
cell2-vcc: U43.6 U246.16 U247.11
cell2.adc-alert_slash_rdy: U37.2
cell2.buck.ctrl_resistor-vfb: R95.2 R96.2 R97.1 U39.4
cell2.buck.dac-vout: R95.1 U38.1
cell2.buck.regulator-en: R98.2 U39.5
cell2.buck.regulator-sw: C65.2 L5.1 U39.2
cell2.buck.regulator-vbst: C65.1 U39.6
cell2.dmm_relay-gnd: R118.1 U44.3
cell2.dmm_relay-vcc: R117.1 U44.6
cell2.dmm_relay.fet-gate: Q5.1 R108.2
cell2.dmm_relay.indicator_led.resistor-cathode: LED7.1 R107.1
cell2.dmm_relay.relay-gnd: Q5.3 R107.2 U44.8
cell2.gpio-int: U45.11
cell2.gpio-p0: U45.2
cell2.gpio-p1: U45.3
cell2.gpio-p4: R110.1 R111.1 U45.7